# Altium PCB 0020-03_FFT2G.PcbDoc (part 15 of 16)
Units mm, origin at the board's own origin, x right, y up, seen from the top; angles counter-clockwise.
Board outline 195 x 104.5 mm, 12 copper layers (Top Layer, GND1, LVDS1, PWR1, LVDS2, PWR2, LVDS3, PWR3, SIG1, SIG2, GND2, Bottom Layer), stack 1.422 mm thick; 721 components, 650 nets, 4014 pads, 3497 vias.
Unrouted connection lines stored in the file: 78.
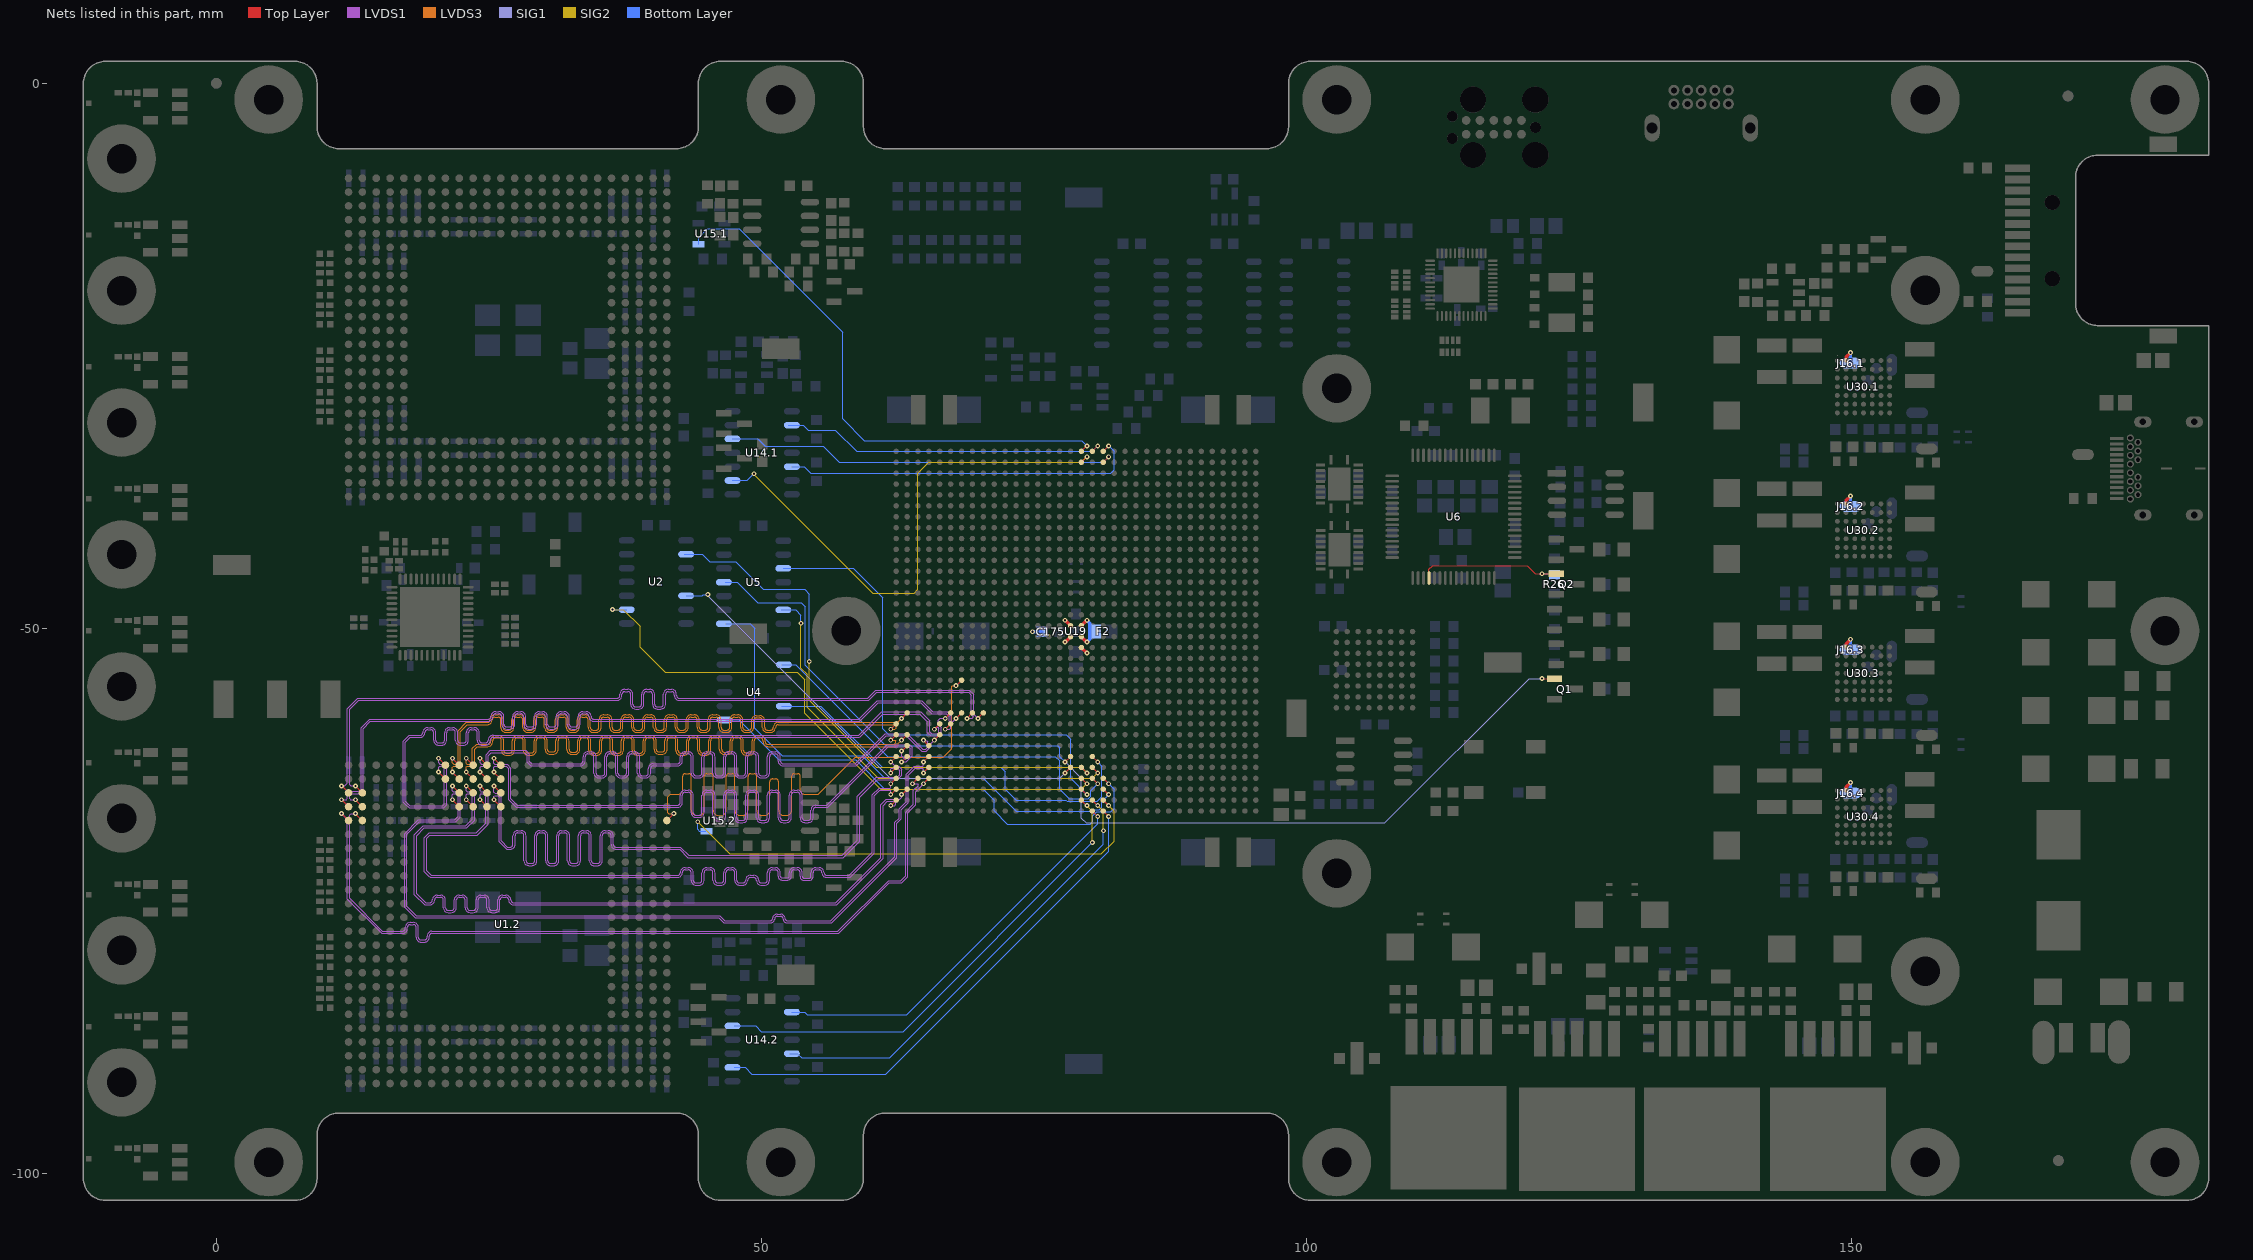
[diagram p25: the nets of this part, all layers, seen from the top]

## Via types
v1: diameter 0.45, hole 0.2, Top Layer to Bottom Layer, tented both sides, 3249 vias
v2: diameter 1, hole 0.5, Top Layer to Bottom Layer, tented both sides, 192 vias
v3: diameter 0.5, hole 0.2, Top Layer to Bottom Layer, tented both sides, 34 vias
v4: diameter 0.6, hole 0.3, Top Layer to Bottom Layer, tented both sides, 12 vias
v5: diameter 0.6, hole 0.2, Top Layer to Bottom Layer, tented both sides, 6 vias
v6: diameter 0.45/0.45/0.45/0.45/0.45/0.45/0.45 (per signal layer), hole 0.2, Top Layer to Bottom Layer, tented both sides, 4 vias

## Nets (pads, with @x,y where several pads share a name; then routed paths per layer and width w, separated by ;. In a path a pad name is that pad's centre, name@x,y a point inside that pad or via, vN(x,y) a via of type N, cw(c..) or ccw(c..) an arc to the next point about the centre after c; other vN are vias at no path point) (continued)
SC.OR_P: U1.2.AD20 U19.N28 | length 75.2
  Top Layer w0.1: U1.2.AD20@41.338,-67.653 v1(41.973,-67.018) ; v1(67.875,-55.28) U19.N28@68.375,-54.78
  LVDS3 w0.1: v1(41.973,-67.018) 41.497,-67.018 41.438,-66.959 41.438,-65.473 41.648,-65.263 42.331,-65.263 ccw(c42.331,-64.813) 42.781,-64.813 42.781,-63.601 cw(c43.031,-63.601) 43.031,-63.351 43.331,-63.351 cw(c43.331,-63.601) 43.581,-63.601 43.581,-66.726 ccw(c44.031,-66.726) 44.031,-67.176 44.331,-67.176 ccw(c44.331,-66.726) 44.781,-66.726 44.781,-63.601 cw(c45.031,-63.601) 45.031,-63.351 45.331,-63.351 cw(c45.331,-63.601) 45.581,-63.601 45.581,-66.726 ccw(c46.031,-66.726) 46.031,-67.176 46.331,-67.176 ccw(c46.331,-66.726) 46.781,-66.726 46.781,-63.601 cw(c47.031,-63.601) 47.031,-63.351 47.331,-63.351 cw(c47.331,-63.601) 47.581,-63.601 47.581,-66.726 ccw(c48.031,-66.726) 48.031,-67.176 48.331,-67.176 ccw(c48.331,-66.726) 48.781,-66.726 48.781,-63.601 cw(c49.031,-63.601) 49.031,-63.351 49.331,-63.351 cw(c49.331,-63.601) 49.581,-63.601 49.581,-66.726 ccw(c50.031,-66.726) 50.031,-67.176 50.331,-67.176 ccw(c50.331,-66.726) 50.781,-66.726 50.781,-64.086 cw(c51.031,-64.086) 51.031,-63.836 51.331,-63.836 cw(c51.331,-64.086) 51.581,-64.086 51.581,-66.726 ccw(c52.031,-66.726) 52.031,-67.176 52.331,-67.176 ccw(c52.331,-66.726) 52.781,-66.726 52.781,-63.601 cw(c53.031,-63.601) 53.031,-63.351 53.331,-63.351 cw(c53.331,-63.601) 53.581,-63.601 53.581,-64.813 ccw(c54.031,-64.813) 54.031,-65.263 55.239,-65.263 58.634,-61.868 66.679,-61.868 67.475,-61.071 67.475,-55.338 67.534,-55.28 v1(67.875,-55.28)
SD.0_N: U1.2.M21 U19.F34 | length 75.5
  Top Layer w0.1: v1(25.463,-65.748) U1.2.M21@26.098,-66.383 ; v1(61.875,-62.28) U19.F34@62.375,-61.78
  LVDS1 w0.1: v1(25.463,-65.748) 25.463,-65.439 25.531,-65.371 25.827,-65.371 25.951,-65.495 25.951,-69.613 26.623,-70.286 26.965,-70.286 ccw(c26.965,-69.836) 27.415,-69.836 27.415,-69.036 cw(c27.665,-69.036) 27.665,-68.786 27.965,-68.786 cw(c27.965,-69.036) 28.215,-69.036 28.215,-71.333 ccw(c28.665,-71.333) 28.665,-71.783 28.965,-71.783 ccw(c28.965,-71.333) 29.415,-71.333 29.415,-69.036 cw(c29.665,-69.036) 29.665,-68.786 29.965,-68.786 cw(c29.965,-69.036) 30.215,-69.036 30.215,-71.336 ccw(c30.665,-71.336) 30.665,-71.786 30.965,-71.786 ccw(c30.965,-71.336) 31.415,-71.336 31.415,-69.036 cw(c31.665,-69.036) 31.665,-68.786 31.965,-68.786 cw(c31.965,-69.036) 32.215,-69.036 32.215,-71.336 ccw(c32.665,-71.336) 32.665,-71.786 32.965,-71.786 ccw(c32.965,-71.336) 33.415,-71.336 33.415,-69.036 cw(c33.665,-69.036) 33.665,-68.786 33.965,-68.786 cw(c33.965,-69.036) 34.215,-69.036 34.215,-71.336 ccw(c34.665,-71.336) 34.665,-71.786 34.965,-71.786 ccw(c34.965,-71.336) 35.415,-71.336 35.415,-69.036 cw(c35.665,-69.036) 35.665,-68.786 35.965,-68.786 cw(c35.965,-69.036) 36.215,-69.036 36.215,-69.836 ccw(c36.665,-69.836) 36.665,-70.286 42.502,-70.286 43.27,-71.055 57.504,-71.055 59.021,-69.537 59.021,-65.517 60.639,-63.9 62.52,-63.9 62.898,-63.521 62.898,-62.953 62.625,-62.68 62.275,-62.68 v1(61.875,-62.28)
SD.0_P: U1.2.M22 U19.E34 | length 75.3
  Top Layer w0.1: v1(25.463,-64.478) U1.2.M22@26.098,-65.113 ; v1(61.875,-63.28) U19.E34@62.375,-62.78
  LVDS1 w0.1: v1(25.463,-64.478) 25.463,-65.055 25.57,-65.162 25.9,-65.162 26.151,-65.413 26.151,-69.531 26.706,-70.086 26.965,-70.086 ccw(c26.965,-69.836) 27.215,-69.836 27.215,-69.036 cw(c27.665,-69.036) 27.665,-68.586 27.965,-68.586 cw(c27.965,-69.036) 28.415,-69.036 28.415,-71.333 ccw(c28.665,-71.333) 28.665,-71.583 28.965,-71.583 ccw(c28.965,-71.333) 29.215,-71.333 29.215,-69.036 cw(c29.665,-69.036) 29.665,-68.586 29.965,-68.586 cw(c29.965,-69.036) 30.415,-69.036 30.415,-71.336 ccw(c30.665,-71.336) 30.665,-71.586 30.965,-71.586 ccw(c30.965,-71.336) 31.215,-71.336 31.215,-69.036 cw(c31.665,-69.036) 31.665,-68.586 31.965,-68.586 cw(c31.965,-69.036) 32.415,-69.036 32.415,-71.336 ccw(c32.665,-71.336) 32.665,-71.586 32.965,-71.586 ccw(c32.965,-71.336) 33.215,-71.336 33.215,-69.036 cw(c33.665,-69.036) 33.665,-68.586 33.965,-68.586 cw(c33.965,-69.036) 34.415,-69.036 34.415,-71.336 ccw(c34.665,-71.336) 34.665,-71.586 34.965,-71.586 ccw(c34.965,-71.336) 35.215,-71.336 35.215,-69.036 cw(c35.665,-69.036) 35.665,-68.586 35.965,-68.586 cw(c35.965,-69.036) 36.415,-69.036 36.415,-69.836 ccw(c36.665,-69.836) 36.665,-70.086 42.584,-70.086 43.353,-70.855 57.421,-70.855 58.639,-69.637 58.821,-69.454 58.821,-65.435 60.556,-63.7 62.437,-63.7 62.698,-63.439 62.698,-63.078 62.499,-62.88 61.931,-62.88 61.875,-62.936 v1(61.875,-63.28)
SD.1_N: U1.2.L23 U19.H30 | length 75.8
  Top Layer w0.1: v1(24.193,-63.208) U1.2.L23@24.828,-63.843 ; v1(65.875,-60.28) U19.H30@66.375,-59.78
  LVDS1 w0.1: v1(24.193,-63.208) 24.193,-62.779 24.3,-62.673 24.662,-62.673 24.957,-62.378 24.957,-61.689 25.221,-61.425 28.288,-61.425 28.516,-61.653 28.516,-62.295 28.865,-62.644 33.39,-62.644 ccw(c33.39,-62.194) 33.84,-62.194 33.84,-61.794 cw(c34.09,-61.794) 34.09,-61.544 34.39,-61.544 cw(c34.39,-61.794) 34.64,-61.794 34.64,-63.294 ccw(c35.09,-63.294) 35.09,-63.744 35.39,-63.744 ccw(c35.39,-63.294) 35.84,-63.294 35.84,-61.794 cw(c36.09,-61.794) 36.09,-61.544 36.39,-61.544 cw(c36.39,-61.794) 36.64,-61.794 36.64,-63.294 ccw(c37.09,-63.294) 37.09,-63.744 37.39,-63.744 ccw(c37.39,-63.294) 37.84,-63.294 37.84,-61.794 cw(c38.09,-61.794) 38.09,-61.544 38.39,-61.544 cw(c38.39,-61.794) 38.64,-61.794 38.64,-63.294 ccw(c39.09,-63.294) 39.09,-63.744 39.39,-63.744 ccw(c39.39,-63.294) 39.84,-63.294 39.84,-62.894 cw(c40.09,-62.894) 40.09,-62.644 42.306,-62.644 ccw(c42.306,-62.194) 42.756,-62.194 42.756,-61.794 cw(c43.006,-61.794) 43.006,-61.544 43.306,-61.544 cw(c43.306,-61.794) 43.556,-61.794 43.556,-63.294 ccw(c44.006,-63.294) 44.006,-63.744 44.306,-63.744 ccw(c44.306,-63.294) 44.756,-63.294 44.756,-61.794 cw(c45.006,-61.794) 45.006,-61.544 45.306,-61.544 cw(c45.306,-61.794) 45.556,-61.794 45.556,-63.294 ccw(c46.006,-63.294) 46.006,-63.744 46.306,-63.744 ccw(c46.306,-63.294) 46.756,-63.294 46.756,-61.794 cw(c47.006,-61.794) 47.006,-61.544 47.306,-61.544 cw(c47.306,-61.794) 47.556,-61.794 47.556,-63.294 ccw(c48.006,-63.294) 48.006,-63.744 48.306,-63.744 ccw(c48.306,-63.294) 48.756,-63.294 48.756,-61.794 cw(c49.006,-61.794) 49.006,-61.544 49.306,-61.544 cw(c49.306,-61.794) 49.556,-61.794 49.556,-63.294 ccw(c50.006,-63.294) 50.006,-63.744 50.306,-63.744 ccw(c50.306,-63.294) 50.756,-63.294 50.756,-61.794 cw(c51.006,-61.794) 51.006,-61.544 51.306,-61.544 cw(c51.306,-61.794) 51.556,-61.794 51.556,-62.194 ccw(c52.006,-62.194) 52.006,-62.644 58.706,-62.644 61.479,-59.871 63.298,-59.871 64.745,-61.319 65.155,-61.319 65.475,-60.999 65.475,-60.68 v1(65.875,-60.28)
SD.1_P: U1.2.L24 U19.G31 | length 75.6
  Top Layer w0.1: v1(24.193,-61.938) U1.2.L24@24.828,-62.573 ; v1(64.875,-60.28) U19.G31@65.375,-60.78
  LVDS1 w0.1: v1(24.193,-61.938) 24.193,-62.366 24.3,-62.473 24.579,-62.473 24.757,-62.295 24.757,-61.606 25.138,-61.225 28.371,-61.225 28.716,-61.57 28.716,-62.212 28.948,-62.444 33.39,-62.444 ccw(c33.39,-62.194) 33.64,-62.194 33.64,-61.794 cw(c34.09,-61.794) 34.09,-61.344 34.39,-61.344 cw(c34.39,-61.794) 34.84,-61.794 34.84,-63.294 ccw(c35.09,-63.294) 35.09,-63.544 35.39,-63.544 ccw(c35.39,-63.294) 35.64,-63.294 35.64,-61.794 cw(c36.09,-61.794) 36.09,-61.344 36.39,-61.344 cw(c36.39,-61.794) 36.84,-61.794 36.84,-63.294 ccw(c37.09,-63.294) 37.09,-63.544 37.39,-63.544 ccw(c37.39,-63.294) 37.64,-63.294 37.64,-61.794 cw(c38.09,-61.794) 38.09,-61.344 38.39,-61.344 cw(c38.39,-61.794) 38.84,-61.794 38.84,-63.294 ccw(c39.09,-63.294) 39.09,-63.544 39.39,-63.544 ccw(c39.39,-63.294) 39.64,-63.294 39.64,-62.894 cw(c40.09,-62.894) 40.09,-62.444 42.306,-62.444 ccw(c42.306,-62.194) 42.556,-62.194 42.556,-61.794 cw(c43.006,-61.794) 43.006,-61.344 43.306,-61.344 cw(c43.306,-61.794) 43.756,-61.794 43.756,-63.294 ccw(c44.006,-63.294) 44.006,-63.544 44.306,-63.544 ccw(c44.306,-63.294) 44.556,-63.294 44.556,-61.794 cw(c45.006,-61.794) 45.006,-61.344 45.306,-61.344 cw(c45.306,-61.794) 45.756,-61.794 45.756,-63.294 ccw(c46.006,-63.294) 46.006,-63.544 46.306,-63.544 ccw(c46.306,-63.294) 46.556,-63.294 46.556,-61.794 cw(c47.006,-61.794) 47.006,-61.344 47.306,-61.344 cw(c47.306,-61.794) 47.756,-61.794 47.756,-63.294 ccw(c48.006,-63.294) 48.006,-63.544 48.306,-63.544 ccw(c48.306,-63.294) 48.556,-63.294 48.556,-61.794 cw(c49.006,-61.794) 49.006,-61.344 49.306,-61.344 cw(c49.306,-61.794) 49.756,-61.794 49.756,-63.294 ccw(c50.006,-63.294) 50.006,-63.544 50.306,-63.544 ccw(c50.306,-63.294) 50.556,-63.294 50.556,-61.794 cw(c51.006,-61.794) 51.006,-61.344 51.306,-61.344 cw(c51.306,-61.794) 51.756,-61.794 51.756,-62.194 ccw(c52.006,-62.194) 52.006,-62.444 58.623,-62.444 61.396,-59.671 63.38,-59.671 64.828,-61.119 65.072,-61.119 65.275,-60.916 65.275,-60.412 65.174,-60.311 64.907,-60.311 v1(64.875,-60.28)
SD.2_N: U1.2.L21 U19.C34 | length 75.3
  Top Layer w0.1: v1(24.193,-65.748) U1.2.L21@24.828,-66.383 ; v1(61.875,-65.28) 62.017,-65.138 U19.C34@62.375,-64.78
  LVDS1 w0.1: v1(24.193,-65.748) 24.193,-65.294 24.274,-65.213 24.528,-65.213 24.731,-65.416 24.731,-67.911 23.852,-68.79 19.511,-68.79 19.086,-69.215 19.086,-72.352 19.435,-72.701 19.614,-72.88 42.306,-72.88 ccw(c42.306,-72.43) 42.756,-72.43 cw(c43.006,-72.43) 43.006,-72.18 43.306,-72.18 cw(c43.306,-72.43) 43.556,-72.43 43.556,-73.13 ccw(c44.006,-73.13) 44.006,-73.58 44.306,-73.58 ccw(c44.306,-73.13) 44.756,-73.13 44.756,-72.43 cw(c45.006,-72.43) 45.006,-72.18 45.306,-72.18 cw(c45.306,-72.43) 45.556,-72.43 45.556,-73.13 ccw(c46.006,-73.13) 46.006,-73.58 46.306,-73.58 ccw(c46.306,-73.13) 46.756,-73.13 46.756,-72.43 cw(c47.006,-72.43) 47.006,-72.18 47.306,-72.18 cw(c47.306,-72.43) 47.556,-72.43 47.556,-73.13 ccw(c48.006,-73.13) 48.006,-73.58 48.306,-73.58 ccw(c48.306,-73.13) 48.756,-73.13 cw(c49.006,-73.13) 49.006,-72.88 49.306,-72.88 cw(c49.306,-73.13) 49.556,-73.13 ccw(c50.006,-73.13) 50.006,-73.58 50.306,-73.58 ccw(c50.306,-73.13) 50.756,-73.13 50.756,-72.43 cw(c51.006,-72.43) 51.006,-72.18 51.306,-72.18 cw(c51.306,-72.43) 51.556,-72.43 51.556,-72.78 ccw(c51.889,-72.78) 51.889,-73.114 52.422,-73.114 ccw(c52.422,-72.78) 52.756,-72.78 52.756,-72.43 cw(c53.006,-72.43) 53.006,-72.18 53.306,-72.18 cw(c53.306,-72.43) 53.556,-72.43 53.556,-72.78 ccw(c53.911,-72.78) 53.911,-73.136 54.4,-73.136 ccw(c54.4,-72.78) 54.756,-72.78 54.756,-72.43 cw(c55.006,-72.43) 55.006,-72.18 55.306,-72.18 cw(c55.306,-72.43) 55.556,-72.43 ccw(c56.006,-72.43) 56.006,-72.88 58.147,-72.88 60.38,-70.647 60.38,-65.386 60.886,-64.88 61.436,-64.88 61.817,-64.88 61.875,-64.938 v1(61.875,-65.28)
SD.2_P: U1.2.L22 U19.D34 | length 75.3
  Top Layer w0.1: v1(24.193,-64.478) U1.2.L22@24.828,-65.113 ; v1(61.875,-64.28) U19.D34@62.375,-63.78
  LVDS1 w0.1: v1(24.193,-64.478) 24.193,-64.932 24.274,-65.013 24.611,-65.013 24.931,-65.333 24.931,-67.994 23.935,-68.99 19.594,-68.99 19.286,-69.298 19.286,-72.27 19.576,-72.56 19.697,-72.68 42.306,-72.68 ccw(c42.306,-72.43) 42.556,-72.43 cw(c43.006,-72.43) 43.006,-71.98 43.306,-71.98 cw(c43.306,-72.43) 43.756,-72.43 43.756,-73.13 ccw(c44.006,-73.13) 44.006,-73.38 44.306,-73.38 ccw(c44.306,-73.13) 44.556,-73.13 44.556,-72.43 cw(c45.006,-72.43) 45.006,-71.98 45.306,-71.98 cw(c45.306,-72.43) 45.756,-72.43 45.756,-73.13 ccw(c46.006,-73.13) 46.006,-73.38 46.306,-73.38 ccw(c46.306,-73.13) 46.556,-73.13 46.556,-72.43 cw(c47.006,-72.43) 47.006,-71.98 47.306,-71.98 cw(c47.306,-72.43) 47.756,-72.43 47.756,-73.13 ccw(c48.006,-73.13) 48.006,-73.38 48.306,-73.38 ccw(c48.306,-73.13) 48.556,-73.13 cw(c49.006,-73.13) 49.006,-72.68 49.306,-72.68 cw(c49.306,-73.13) 49.756,-73.13 ccw(c50.006,-73.13) 50.006,-73.38 50.306,-73.38 ccw(c50.306,-73.13) 50.556,-73.13 50.556,-72.43 cw(c51.006,-72.43) 51.006,-71.98 51.306,-71.98 cw(c51.306,-72.43) 51.756,-72.43 51.756,-72.78 ccw(c51.889,-72.78) 51.889,-72.914 52.422,-72.914 ccw(c52.422,-72.78) 52.556,-72.78 52.556,-72.43 cw(c53.006,-72.43) 53.006,-71.98 53.306,-71.98 cw(c53.306,-72.43) 53.756,-72.43 53.756,-72.78 ccw(c53.911,-72.78) 53.911,-72.936 54.4,-72.936 ccw(c54.4,-72.78) 54.556,-72.78 54.556,-72.43 cw(c55.006,-72.43) 55.006,-71.98 55.306,-71.98 cw(c55.306,-72.43) 55.756,-72.43 ccw(c56.006,-72.43) 56.006,-72.68 58.064,-72.68 60.18,-70.564 60.18,-65.303 60.804,-64.68 61.436,-64.68 61.817,-64.68 61.875,-64.621 v1(61.875,-64.28)
SD.3_N: U1.2.K23 U19.H33 | length 75.1
  Top Layer w0.1: v1(22.923,-63.208) U1.2.K23@23.558,-63.843 ; v1(62.875,-60.28) U19.H33@63.375,-59.78
  LVDS3 w0.1: v1(22.923,-63.208) 22.923,-62.731 22.982,-62.673 ; 23.04,-62.673 23.414,-62.673 23.69,-62.397 23.69,-61.123 23.951,-60.862 24.907,-60.862 ccw(c24.907,-60.412) 25.357,-60.412 25.357,-60.313 cw(c25.607,-60.313) 25.607,-60.063 25.907,-60.063 cw(c25.907,-60.313) 26.157,-60.313 26.157,-61.211 ccw(c26.607,-61.211) 26.607,-61.661 26.907,-61.661 ccw(c26.907,-61.211) 27.357,-61.211 27.357,-60.313 cw(c27.607,-60.313) 27.607,-60.063 27.907,-60.063 cw(c27.907,-60.313) 28.157,-60.313 28.157,-61.198 ccw(c28.607,-61.198) 28.607,-61.648 28.907,-61.648 ccw(c28.907,-61.198) 29.357,-61.198 29.357,-60.313 cw(c29.607,-60.313) 29.607,-60.063 29.907,-60.063 cw(c29.907,-60.313) 30.157,-60.313 30.157,-61.114 ccw(c30.607,-61.114) 30.607,-61.564 30.907,-61.564 ccw(c30.907,-61.114) 31.357,-61.114 31.357,-60.313 cw(c31.607,-60.313) 31.607,-60.063 31.907,-60.063 cw(c31.907,-60.313) 32.157,-60.313 32.157,-61.131 ccw(c32.607,-61.131) 32.607,-61.581 32.907,-61.581 ccw(c32.907,-61.131) 33.357,-61.131 33.357,-60.313 cw(c33.607,-60.313) 33.607,-60.063 33.907,-60.063 cw(c33.907,-60.313) 34.157,-60.313 34.157,-61.211 ccw(c34.607,-61.211) 34.607,-61.661 34.907,-61.661 ccw(c34.907,-61.211) 35.357,-61.211 35.357,-60.313 cw(c35.607,-60.313) 35.607,-60.063 35.907,-60.063 cw(c35.907,-60.313) 36.157,-60.313 36.157,-61.211 ccw(c36.607,-61.211) 36.607,-61.661 36.907,-61.661 ccw(c36.907,-61.211) 37.357,-61.211 37.357,-60.313 cw(c37.607,-60.313) 37.607,-60.063 37.907,-60.063 cw(c37.907,-60.313) 38.157,-60.313 38.157,-61.211 ccw(c38.607,-61.211) 38.607,-61.661 38.907,-61.661 ccw(c38.907,-61.211) 39.357,-61.211 39.357,-60.313 cw(c39.607,-60.313) 39.607,-60.063 39.907,-60.063 cw(c39.907,-60.313) 40.157,-60.313 40.157,-61.112 ccw(c40.607,-61.112) 40.607,-61.562 40.907,-61.562 ccw(c40.907,-61.112) 41.357,-61.112 41.357,-60.313 cw(c41.607,-60.313) 41.607,-60.063 41.907,-60.063 cw(c41.907,-60.313) 42.157,-60.313 42.157,-61.211 ccw(c42.607,-61.211) 42.607,-61.661 42.907,-61.661 ccw(c42.907,-61.211) 43.357,-61.211 43.357,-60.313 cw(c43.607,-60.313) 43.607,-60.063 43.907,-60.063 cw(c43.907,-60.313) 44.157,-60.313 44.157,-61.211 ccw(c44.607,-61.211) 44.607,-61.661 44.907,-61.661 ccw(c44.907,-61.211) 45.357,-61.211 45.357,-60.313 cw(c45.607,-60.313) 45.607,-60.063 45.907,-60.063 cw(c45.907,-60.313) 46.157,-60.313 46.157,-61.125 ccw(c46.607,-61.125) 46.607,-61.575 46.907,-61.575 ccw(c46.907,-61.125) 47.357,-61.125 47.357,-60.313 cw(c47.607,-60.313) 47.607,-60.063 47.907,-60.063 cw(c47.907,-60.313) 48.157,-60.313 48.157,-61.196 ccw(c48.607,-61.196) 48.607,-61.646 48.907,-61.646 ccw(c48.907,-61.196) 49.357,-61.196 49.357,-60.313 cw(c49.607,-60.313) 49.607,-60.063 49.907,-60.063 cw(c49.907,-60.313) 50.157,-60.313 50.157,-60.412 ccw(c50.607,-60.412) 50.607,-60.862 62.292,-60.862 62.321,-60.833 62.49,-60.664 ; 62.491,-60.664 v1(62.875,-60.28)
SD.3_P: U1.2.K24 U19.H34 | length 75.1
  Top Layer w0.1: v1(22.923,-61.938) U1.2.K24@23.558,-62.573 ; v1(61.875,-60.28) U19.H34@62.375,-59.78
  LVDS3 w0.1: v1(22.923,-61.938) 22.923,-62.414 22.982,-62.473 23.331,-62.473 23.49,-62.314 23.49,-61.04 23.869,-60.662 24.907,-60.662 ccw(c24.907,-60.412) 25.157,-60.412 25.157,-60.313 cw(c25.607,-60.313) 25.607,-59.863 25.907,-59.863 cw(c25.907,-60.313) 26.357,-60.313 26.357,-61.211 ccw(c26.607,-61.211) 26.607,-61.461 26.907,-61.461 ccw(c26.907,-61.211) 27.157,-61.211 27.157,-60.313 cw(c27.607,-60.313) 27.607,-59.863 27.907,-59.863 cw(c27.907,-60.313) 28.357,-60.313 28.357,-61.198 ccw(c28.607,-61.198) 28.607,-61.448 28.907,-61.448 ccw(c28.907,-61.198) 29.157,-61.198 29.157,-60.313 cw(c29.607,-60.313) 29.607,-59.863 29.907,-59.863 cw(c29.907,-60.313) 30.357,-60.313 30.357,-61.114 ccw(c30.607,-61.114) 30.607,-61.364 30.907,-61.364 ccw(c30.907,-61.114) 31.157,-61.114 31.157,-60.313 cw(c31.607,-60.313) 31.607,-59.863 31.907,-59.863 cw(c31.907,-60.313) 32.357,-60.313 32.357,-61.131 ccw(c32.607,-61.131) 32.607,-61.381 32.907,-61.381 ccw(c32.907,-61.131) 33.157,-61.131 33.157,-60.313 cw(c33.607,-60.313) 33.607,-59.863 33.907,-59.863 cw(c33.907,-60.313) 34.357,-60.313 34.357,-61.211 ccw(c34.607,-61.211) 34.607,-61.461 34.907,-61.461 ccw(c34.907,-61.211) 35.157,-61.211 35.157,-60.313 cw(c35.607,-60.313) 35.607,-59.863 35.907,-59.863 cw(c35.907,-60.313) 36.357,-60.313 36.357,-61.211 ccw(c36.607,-61.211) 36.607,-61.461 36.907,-61.461 ccw(c36.907,-61.211) 37.157,-61.211 37.157,-60.313 cw(c37.607,-60.313) 37.607,-59.863 37.907,-59.863 cw(c37.907,-60.313) 38.357,-60.313 38.357,-61.211 ccw(c38.607,-61.211) 38.607,-61.461 38.907,-61.461 ccw(c38.907,-61.211) 39.157,-61.211 39.157,-60.313 cw(c39.607,-60.313) 39.607,-59.863 39.907,-59.863 cw(c39.907,-60.313) 40.357,-60.313 40.357,-61.112 ccw(c40.607,-61.112) 40.607,-61.362 40.907,-61.362 ccw(c40.907,-61.112) 41.157,-61.112 41.157,-60.313 cw(c41.607,-60.313) 41.607,-59.863 41.907,-59.863 cw(c41.907,-60.313) 42.357,-60.313 42.357,-61.211 ccw(c42.607,-61.211) 42.607,-61.461 42.907,-61.461 ccw(c42.907,-61.211) 43.157,-61.211 43.157,-60.313 cw(c43.607,-60.313) 43.607,-59.863 43.907,-59.863 cw(c43.907,-60.313) 44.357,-60.313 44.357,-61.211 ccw(c44.607,-61.211) 44.607,-61.461 44.907,-61.461 ccw(c44.907,-61.211) 45.157,-61.211 45.157,-60.313 cw(c45.607,-60.313) 45.607,-59.863 45.907,-59.863 cw(c45.907,-60.313) 46.357,-60.313 46.357,-61.125 ccw(c46.607,-61.125) 46.607,-61.375 46.907,-61.375 ccw(c46.907,-61.125) 47.157,-61.125 47.157,-60.313 cw(c47.607,-60.313) 47.607,-59.863 47.907,-59.863 cw(c47.907,-60.313) 48.357,-60.313 48.357,-61.196 ccw(c48.607,-61.196) 48.607,-61.446 48.907,-61.446 ccw(c48.907,-61.196) 49.157,-61.196 49.157,-60.313 cw(c49.607,-60.313) 49.607,-59.863 49.907,-59.863 cw(c49.907,-60.313) 50.357,-60.313 50.357,-60.412 ccw(c50.607,-60.412) 50.607,-60.662 62.209,-60.662 62.238,-60.633 62.349,-60.522 62.349,-60.336 62.293,-60.28 v1(61.875,-60.28)
SD.4_N: U1.2.K21 U19.B34 | length 75.7
  Top Layer w0.1: v1(22.923,-65.748) U1.2.K21@23.558,-66.383 ; v1(61.875,-66.28) U19.B34@62.375,-65.78
  LVDS1 w0.1: v1(22.923,-65.748) 22.923,-65.294 23.004,-65.213 23.3,-65.213 23.487,-65.4 23.487,-67.532 22.886,-68.133 19.003,-68.133 18.178,-68.958 18.178,-74.462 19.111,-75.395 19.573,-75.395 ccw(c19.573,-74.945) 20.023,-74.945 cw(c20.273,-74.945) 20.273,-74.695 20.573,-74.695 cw(c20.573,-74.945) 20.823,-74.945 20.823,-75.645 ccw(c21.273,-75.645) 21.273,-76.095 21.573,-76.095 ccw(c21.573,-75.645) 22.023,-75.645 22.023,-74.945 cw(c22.273,-74.945) 22.273,-74.695 22.573,-74.695 cw(c22.573,-74.945) 22.823,-74.945 22.823,-75.645 ccw(c23.273,-75.645) 23.273,-76.095 23.573,-76.095 ccw(c23.573,-75.645) 24.023,-75.645 24.023,-74.945 cw(c24.273,-74.945) 24.273,-74.695 24.573,-74.695 cw(c24.573,-74.945) 24.823,-74.945 24.823,-75.645 ccw(c25.273,-75.645) 25.273,-76.095 25.573,-76.095 ccw(c25.573,-75.645) 26.023,-75.645 26.023,-74.945 cw(c26.273,-74.945) 26.273,-74.695 26.573,-74.695 cw(c26.573,-74.945) 26.823,-74.945 ccw(c27.273,-74.945) 27.273,-75.395 56.913,-75.395 61.171,-71.137 61.171,-66.279 61.555,-65.894 62.216,-65.894 62.343,-66.021 62.343,-66.174 62.237,-66.28 v1(61.875,-66.28)
SD.4_P: U1.2.K22 U19.C33 | length 75.9
  Top Layer w0.1: v1(22.923,-64.478) U1.2.K22@23.558,-65.113 ; v1(62.875,-65.28) U19.C33@63.375,-64.78
  LVDS1 w0.1: v1(22.923,-64.478) 22.923,-64.932 23.004,-65.013 23.383,-65.013 23.687,-65.317 23.687,-67.615 22.969,-68.333 19.086,-68.333 18.378,-69.041 18.378,-74.379 19.194,-75.195 19.573,-75.195 ccw(c19.573,-74.945) 19.823,-74.945 cw(c20.273,-74.945) 20.273,-74.495 20.573,-74.495 cw(c20.573,-74.945) 21.023,-74.945 21.023,-75.645 ccw(c21.273,-75.645) 21.273,-75.895 21.573,-75.895 ccw(c21.573,-75.645) 21.823,-75.645 21.823,-74.945 cw(c22.273,-74.945) 22.273,-74.495 22.573,-74.495 cw(c22.573,-74.945) 23.023,-74.945 23.023,-75.645 ccw(c23.273,-75.645) 23.273,-75.895 23.573,-75.895 ccw(c23.573,-75.645) 23.823,-75.645 23.823,-74.945 cw(c24.273,-74.945) 24.273,-74.495 24.573,-74.495 cw(c24.573,-74.945) 25.023,-74.945 25.023,-75.645 ccw(c25.273,-75.645) 25.273,-75.895 25.573,-75.895 ccw(c25.573,-75.645) 25.823,-75.645 25.823,-74.945 cw(c26.273,-74.945) 26.273,-74.495 26.573,-74.495 cw(c26.573,-74.945) 27.023,-74.945 ccw(c27.273,-74.945) 27.273,-75.195 56.83,-75.195 60.971,-71.054 60.971,-66.196 61.472,-65.694 62.216,-65.694 62.718,-65.694 62.875,-65.537 v1(62.875,-65.28)